# Altium PCB 5600BB3T Dev.Board.PcbDoc (part 2 of 2)
Units mm, origin at the board's own origin, x right, y up, seen from the top; angles counter-clockwise.
Board outline 100 x 100 mm, 2 copper layers (Top Layer, Bottom Layer); 117 components, 92 nets, 493 pads, 391 vias.
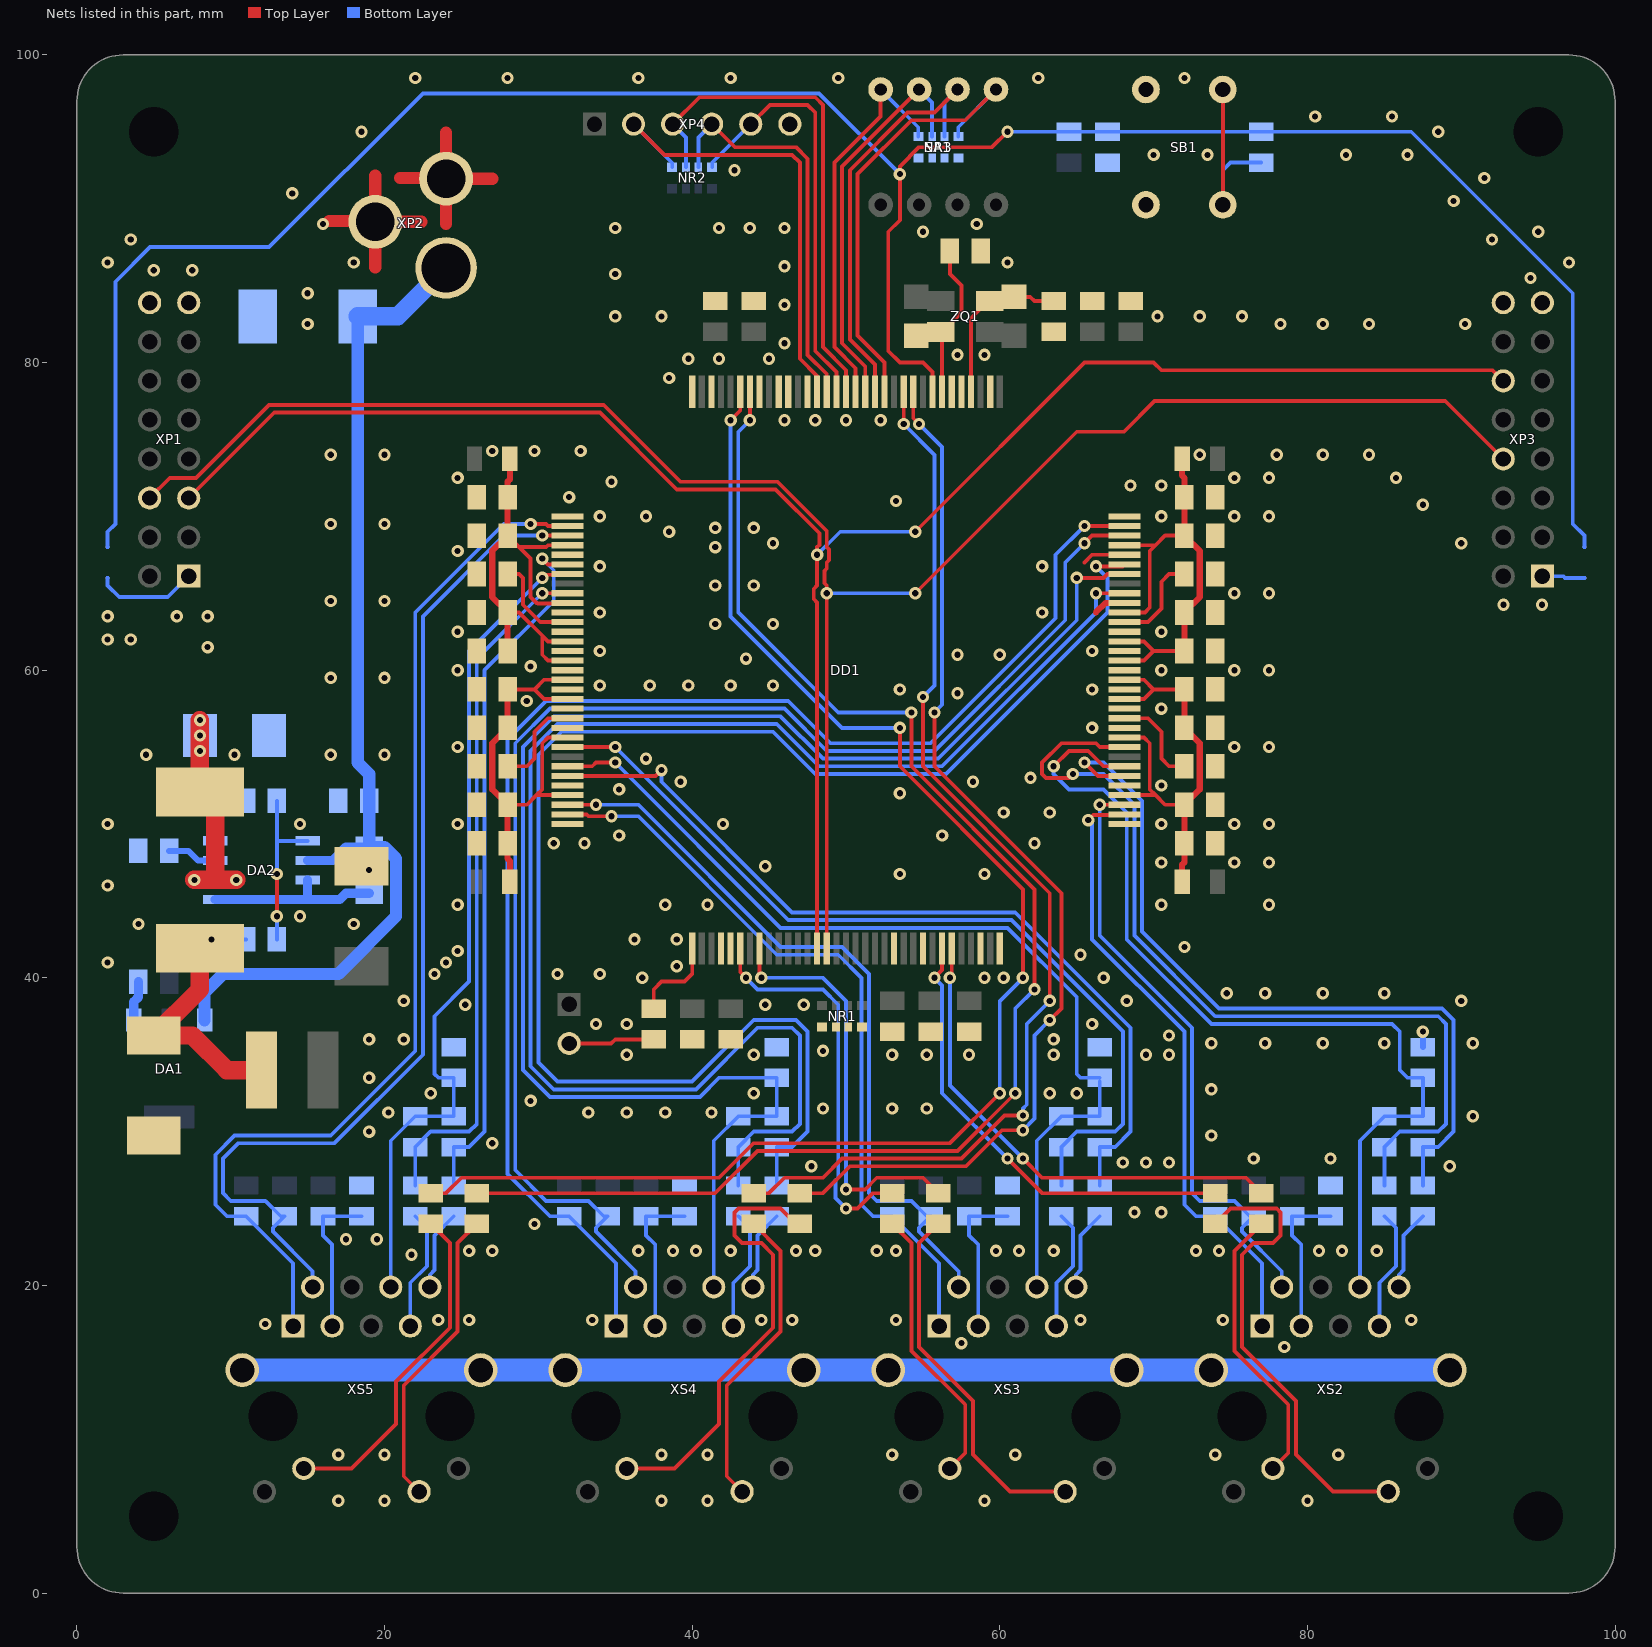
[diagram p2: the nets of this part, all layers, seen from the top]

## Via types
v1: diameter 0.8, hole 0.4, Top Layer to Bottom Layer, tented both sides, 391 vias

## Nets (pads, with @x,y where several pads share a name; then routed paths per layer and width w, separated by ;. In a path a pad name is that pad's centre, name@x,y a point inside that pad or via, vN(x,y) a via of type N, cw(c..) or ccw(c..) an arc to the next point about the centre after c; other vN are vias at no path point) (continued)
DATA_TX3: DD1.14 XP1.5 XP3.12 | length 124.2
  Top Layer w0.25: XP1.5@7.27,71.19 12.83,76.75 34,76.75 39,71.75 45.421,71.75 48.271,68.9 48.271,68.146 48.125,68 v1(48.125,67.5) 48.125,65.5 47.9,65.275 47.9,64.625 48.125,64.4 DD1.14@48.125,41.9 ; v1(54.5,69) 65.5,80 70,80 70.5,79.5 92.04,79.5 XP3.12@92.73,78.81
  Bottom Layer w0.25: v1@48,67.5 v1@48.062,67.562 ; v1(48.125,67.5) 49.625,69 v1(54.5,69)
DATA_TXEN: DD1.15 XP1.6 XP3.8 | length 128
  Top Layer w0.25: XP1.6@4.73,71.19 6.04,72.5 7.75,72.5 12.5,77.25 34.25,77.25 39.25,72.25 45.557,72.25 48.75,69.057 48.75,68 48.9,67.85 48.9,67.15 48.75,67 48.75,66.6 48.6,66.45 48.6,65.65 48.75,65.5 v1(48.75,65) DD1.15@48.75,41.9 ; v1(54.5,65) 65,75.5 68.066,75.5 70.066,77.5 88.96,77.5 XP3.8@92.73,73.73
  Bottom Layer w0.25: v1(48.75,65) v1(54.5,65)
EXRES1: DD1.45 R5.2 | length 6.2
  Top Layer w0.25: DD1.45@68.1,56.875 69.625,56.875 70.5,56 70.5,54.25 71,53.75 R5.2@72,53.75
EXRES2: DD1.121 R6.2 | length 6.2
  Top Layer w0.25: R6.2@28,53.75 29.25,53.75 29.75,54.25 29.75,56 30.625,56.875 DD1.121@31.9,56.875
EXRES3: DD1.55 R7.2 | length 6.2
  Top Layer w0.25: DD1.55@68.1,63.125 69.625,63.125 70.5,64 70.5,65.75 71,66.25 R7.2@72,66.25
EXRES4: DD1.111 R8.2 | length 6.2
  Top Layer w0.25: R8.2@28,66.25 28.75,66.25 29,66 29,64.25 30.125,63.125 DD1.111@31.9,63.125
LINK_G1: DD1.28 R12.1 | length 32.1
  Top Layer w0.25: v1(56.75,40) 56.875,40.125 DD1.28@56.875,41.9 ; v1(61.5,28.25) 62.75,27 76,27 R12.1@77,26
  Bottom Layer w0.25: v1(56.75,40) 56.75,33 v1(61.5,28.25)
LINK_G2: DD1.6 R14.1 | length 25.8
  Top Layer w0.25: DD1.6@43.125,41.9 43.125,40.375 v1(43.5,40) ; v1(50,25) 50.75,25 51.75,26 R14.1@53,26
  Bottom Layer w0.25: v1(43.5,40) 44.25,39.25 48.5,39.25 49.5,38.25 49.5,27 49.325,26.825 49.325,25.675 v1(50,25)
LINK_G3: DD1.76 R16.1 | length 69.6
  Top Layer w0.25: R16.1@47,26 48.5,26 50.25,27.75 57.799,27.75 60.144,30.095 v1(61.5,30.095) ; DD1.76@54.375,78.1 54.375,76.375 v1(54.75,76) ; v1(55.75,57.25) 55.75,53.75 64,45.5 64,38 v1(63.25,37.25)
  Bottom Layer w0.25: v1(54.75,76) 56.25,74.5 56.25,57.75 v1(55.75,57.25) ; v1(61.5,30.095) 62.25,30.845 62.25,36.25 v1(63.25,37.25)
LINK_G4: DD1.94 R18.1 | length 96.2
  Top Layer w0.25: R18.1@23,26 24,26 25,27 41.75,27 44,29.25 56.75,29.25 v1(60,32.5) ; v1(42.5,76.25) 43.125,76.875 DD1.94@43.125,78.1 ; v1(53.5,56.25) 53.5,53.75 61.5,45.75 v1(61.5,40)
  Bottom Layer w0.25: v1(42.5,76.25) 42.5,63.5 49.75,56.25 v1(53.5,56.25) ; v1(60,32.5) 60,38.5 v1(61.5,40)
LINK_R1: DD1.27 R13.1 | length 30.3
  Top Layer w0.25: v1(55.75,40) 56.25,40.5 DD1.27@56.25,41.9 ; v1(60.5,28.25) 62.75,26 R13.1@74,26
  Bottom Layer w0.25: v1(55.75,40) 56.25,39.5 56.25,32.5 v1(60.5,28.25)
LINK_R2: DD1.8 R15.1 | length 27
  Top Layer w0.25: DD1.8@44.375,41.9 44.375,40.125 v1(44.5,40) ; v1(50,26.25) 51.25,26.25 52,27 55,27 R15.1@56,26
  Bottom Layer w0.25: v1(44.5,40) 48.5,40 50,38.5 v1(50,26.25)
LINK_R3: DD1.77 R17.1 | length 71.9
  Top Layer w0.25: R17.1@44,26 45,26 46,27 48.5,27 49.75,28.25 57.5,28.25 60.3,31.05 v1(61.5,31.05) ; v1(53.75,76) DD1.77@53.75,78.1 ; v1(55,58.25) 55,53.75 63.25,45.5 v1(63.25,38.5)
  Bottom Layer w0.25: v1(53.75,76) 55.75,74 55.75,59 v1(55,58.25) ; v1(61.5,31.05) 61.5,31.5 61.75,31.75 61.75,37 v1(63.25,38.5)
LINK_R4: DD1.93 R19.1 | length 94.9
  Top Layer w0.25: R19.1@26,26 41.5,26 44.25,28.75 57.25,28.75 v1(61,32.5) ; v1(43.75,76.25) DD1.93@43.75,78.1 ; v1(54.25,57.25) 54.25,53.75 62.25,45.75 v1(62.25,39.25)
  Bottom Layer w0.25: v1(43.75,76.25) 43,75.5 43,63.75 49.5,57.25 v1(54.25,57.25) ; v1(61,32.5) 61,38 v1(62.25,39.25)
MCLK_1: DD1.1 R9.1 | length 5.8
  Top Layer w0.25: R9.1@37.5,38 37.5,39.25 38,39.75 39.5,39.75 40,40.25 DD1.1@40,41.9
MODE0: DD1.82 NR3.5 SA1.8 | length 25.5
  Top Layer w0.25: DD1.82@50.625,78.1 50.625,79.625 49.25,81 49.25,93 52.25,96 SA1.8@52.25,97.75
  Bottom Layer w0.25: SA1.8@52.25,97.75 54.7,95.3 NR3.5@54.7,94.7
MODE1: DD1.81 NR3.6 SA1.7 | length 25.7
  Top Layer w0.25: DD1.81@51.25,78.1 51.25,79.75 49.75,81.25 49.75,92.75 SA1.7@54.75,97.75
  Bottom Layer w0.25: SA1.7@54.75,97.75 55.6,96.9 NR3.6@55.6,94.7
MODE2: DD1.80 NR3.7 SA1.6 | length 27.6
  Top Layer w0.25: DD1.80@51.875,78.1 51.875,79.875 50.25,81.5 50.25,92.5 54,96.25 55.75,96.25 SA1.6@57.25,97.75
  Bottom Layer w0.25: NR3.7@56.4,94.7 56.4,96.9 SA1.6@57.25,97.75
MODE3: DD1.79 NR3.8 SA1.5 | length 30.2
  Top Layer w0.25: DD1.79@52.5,78.1 52.5,80 50.75,81.75 50.75,92.25 54.25,95.75 57.75,95.75 SA1.5@59.75,97.75
  Bottom Layer w0.25: NR3.8@57.3,94.7 57.3,95.3 SA1.5@59.75,97.75
NetC4_2: C4.2 DA2.3 | length 3.3
  Bottom Layer w0.4: C4.2@6,48.25 7.25,48.25 7.865,47.635 DA2.3@9,47.635
NetC6_1: C6.1 L1.2 L2.1 R3.2 | length 17.1
  Top Layer w1.2: L1.2@8,41.92 8,39.25 C6.1@5,36.25 7.5,36.25 9.75,34 L2.1@12,34
  Bottom Layer w0.25: v1(8.75,42.5) R3.2@11,42.5
NetC31_2: C31.2 DD1.73 pad.1 ZQ1.1 | length 12.5
  Top Layer w0.25: ZQ1.1@54.575,81.73 56.23,81.73 pad.1@56.25,81.75 ; pad.1@56.15,82 56.25,82 pad.1@56.75,82.5 ; DD1.73@56.25,78.1 pad.1@56.25,81.75 ; C31.2@56.75,87.25 56.75,85.75 57.5,85 57.5,83.25 pad.1@56.75,82.5 ; pad.1@56.25,81.75 56.75,82.25 pad.1@56.75,82.5
NetC32_2: C32.2 DD1.70 pad.3 ZQ1.3 | length 10.8
  Top Layer w0.25: DD1.70@58.125,78.1 58.125,82.875 59.52,84.27 ZQ1.3@60.925,84.27 61.98,84.27 62.25,84 C32.2@63.5,84
NetC38_2: C38.2 R36.1 XS2.3 | length 9.9
  Bottom Layer w0.25: XS2.3@79.595,17.36 79.595,22.655 79,23.25 R36.1@79,24.5 C38.2@81.5,24.5
NetC39_2: C39.2 R37.1 XS3.3 | length 9.9
  Bottom Layer w0.25: XS3.3@58.595,17.36 58.595,22.655 58,23.25 R37.1@58,24.5 C39.2@60.5,24.5
NetC40_2: C40.2 R38.1 XS4.3 | length 9.9
  Bottom Layer w0.25: XS4.3@37.595,17.36 37.595,22.655 37,23.25 R38.1@37,24.5 C40.2@39.5,24.5
NetC41_2: C41.2 R39.1 XS5.3 | length 9.9
  Bottom Layer w0.25: XS5.3@16.595,17.36 16.595,22.655 16,23.25 R39.1@16,24.5 C41.2@18.5,24.5
NetC42_2: C42.2 XS2.7 | length 7.9
  Bottom Layer w0.25: XS2.7@84.675,17.36 84.675,20.175 85.75,21.25 85.75,23.75 C42.2@85,24.5
NetC43_2: C43.2 XS2.8 | length 5.2
  Bottom Layer w0.25: XS2.8@85.945,19.9 85.945,20.695 86.25,21 86.25,23.25 C43.2@87.5,24.5
NetC44_2: C44.2 XS3.7 | length 7.9
  Bottom Layer w0.25: XS3.7@63.675,17.36 63.675,20.175 64.75,21.25 64.75,23.75 C44.2@64,24.5
NetC45_2: C45.2 XS3.8 | length 5.2
  Bottom Layer w0.25: XS3.8@64.945,19.9 64.945,20.695 65.25,21 65.25,23.25 C45.2@66.5,24.5
NetC46_2: C46.2 XS4.7 | length 7.9
  Bottom Layer w0.25: XS4.7@42.675,17.36 42.675,20.175 43.75,21.25 43.75,23.75 C46.2@43,24.5
NetC47_2: C47.2 XS4.8 | length 5.2
  Bottom Layer w0.25: XS4.8@43.945,19.9 43.945,20.695 44.25,21 44.25,23.25 C47.2@45.5,24.5
NetC48_2: C48.2 XS5.7 | length 7.9
  Bottom Layer w0.25: XS5.7@21.675,17.36 21.675,20.175 22.75,21.25 22.75,23.75 C48.2@22,24.5
NetC49_2: C49.2 XS5.8 | length 5.2
  Bottom Layer w0.25: XS5.8@22.945,19.9 22.945,20.695 23.25,21 23.25,23.25 C49.2@24.5,24.5
NetDA2_1: DA2.1 DA2.7 DA2.8 R2.2 | length 11.4
  Bottom Layer w0.6: DA2.1@9,45.095 DA2.8@15,45.095 ; DA2.7@15,46.365 DA2.8@15,45.095 ; R2.2@19,45.5 17.5,45.5 17.095,45.095 DA2.8@15,45.095
NetDA2_2: DA2.2 L1.1 VD1.2 | length 16.3
  Top Layer w1.2: v1(7.635,46.365) 9,46.365 ; v1(8,56.75) L1.1@8,52.08 9,51.08 9,46.365 ; v1(10.365,46.365) 9,46.365
  Bottom Layer w0.6: v1(7.635,46.365) DA2.2@9,46.365 v1(10.365,46.365)
  other v1: 8,54.75 8,55.75
NetDA2_5: DA2.5 R1.1 R3.1 | length 11
  Top Layer w0.25: v1(13,44) v1(13,46.75)
  Bottom Layer w0.25: R3.1@13,42.5 v1(13,44) ; v1(13,46.75) 13,49 ; R1.1@13,51.5 13,49 ; DA2.5@15,48.905 13.095,48.905 13,49
NetJP1_1: JP1.1 XP1.1 | length 6.6
  Bottom Layer w0.25: JP1.1@2,66 2,65.5 2.75,64.75 5.91,64.75 XP1.1@7.27,66.11
NetJP2_1: JP2.1 XP3.1 | length 2.8
  Bottom Layer w0.25: XP3.1@95.27,66.11 96.64,66.11 96.75,66 JP2.1@98,66
NetR9_2: R9.2 XP5.2 | length 5.6
  Top Layer w0.25: XP5.2@32,35.73 34.73,35.73 35,36 R9.2@37.5,36
NetR10_1: R10.1 SB1.2 | length 12.5
  Top Layer w0.25: SB1.2@74.5,90.25 SB1.2@74.5,97.75
  Bottom Layer w0.25: SB1.2@74.5,90.25 74.5,92.5 75,93 R10.1@77,93
NetR12_2: R12.2 XS2.10 | length 18.5
  Top Layer w0.25: R12.2@77,24 75.25,22.25 75.25,15.75 78.75,12.25 78.75,9.1 XS2.10@77.75,8.1
NetR13_2: R13.2 XS2.11 | length 30.7
  Top Layer w0.25: R13.2@74,24 75,25 78,25 78.25,24.75 78.25,23.25 77.75,22.75 76.5,22.75 75.75,22 75.75,16 79.25,12.5 79.25,9 81.65,6.6 XS2.11@85.25,6.6
NetR14_2: R14.2 XS3.10 | length 18.3
  Top Layer w0.25: R14.2@53,24 54.25,22.75 54.25,15.75 57.75,12.25 57.75,9.1 XS3.10@56.75,8.1
NetR15_2: R15.2 XS3.11 | length 24
  Top Layer w0.25: R15.2@56,24 54.75,22.75 54.75,16 58.25,12.5 58.25,9 60.65,6.6 XS3.11@64.25,6.6
NetR16_2: R16.2 XS4.10 | length 28.9
  Top Layer w0.25: XS4.10@35.75,8.1 38.85,8.1 41.75,11 41.75,13.75 45.25,17.25 45.25,22 44.5,22.75 43.25,22.75 42.75,23.25 42.75,24.75 43,25 45.75,25 46.75,24 R16.2@47,24
NetR17_2: R17.2 XS4.11 | length 20
  Top Layer w0.25: XS4.11@43.25,6.6 42.25,7.6 42.25,13.5 45.75,17 45.75,22.25 R17.2@44,24
NetR18_2: R18.2 XS5.10 | length 22.2
  Top Layer w0.25: XS5.10@14.75,8.1 17.85,8.1 20.75,11 20.75,13.75 24.25,17.25 24.25,22.75 R18.2@23,24
NetR19_2: R19.2 XS5.11 | length 19.8
  Top Layer w0.25: XS5.11@22.25,6.6 21.25,7.6 21.25,13.5 24.75,17 24.75,22.75 R19.2@26,24
PHY1: C12.2 C17.2 C22.2 C27.2 DD1.37 DD1.43 DD1.47 DD1.49 L3.2 | length 29.2
  Top Layer w0.25: DD1.37@68.1,51.875 70.125,51.875 ; DD1.43@68.1,55.625 69.375,55.625 69.75,55.25 69.75,52.25 70.125,51.875 ; DD1.47@68.1,58.125 69.375,58.125 70,58.75 ; DD1.49@68.1,59.375 69.375,59.375 70,58.75 ; C17.2@72,51.25 70.75,51.25 70.125,51.875 ; C27.2@72,58.75 70,58.75
  Top Layer w0.4: L3.2@71.85,46.25 71.85,47.35 72,47.5 C12.2@72,48.75 C17.2@72,51.25 73,52.25 73,55.25 C22.2@72,56.25 C27.2@72,58.75
PHY2: C13.2 C18.2 C23.2 C28.2 DD1.117 DD1.119 DD1.123 DD1.129 L4.2 | length 29.5
  Top Layer w0.25: C18.2@28,51.25 29.25,51.25 29.875,51.875 ; C28.2@28,58.75 29.75,58.75 ; DD1.129@31.9,51.875 29.875,51.875 ; DD1.123@31.9,55.625 30.625,55.625 30.25,55.25 30.25,52.25 29.875,51.875 ; DD1.119@31.9,58.125 30.375,58.125 29.75,58.75 ; DD1.117@31.9,59.375 30.375,59.375 29.75,58.75
  Top Layer w0.4: C28.2@28,58.75 C23.2@28,56.25 27,55.25 27,52.25 C18.2@28,51.25 C13.2@28,48.75 28,47.75 28.15,47.6 L4.2@28.15,46.25
PHY3: C14.2 C19.2 C24.2 C29.2 DD1.51 DD1.53 DD1.56 DD1.63 L5.2 | length 29.9
  Top Layer w0.25: DD1.51@68.1,60.625 69.375,60.625 70,61.25 ; DD1.53@68.1,61.875 69.375,61.875 70,61.25 ; DD1.56@68.1,63.75 69.434,63.75 69.75,64.066 69.75,67.75 70.125,68.125 ; DD1.63@68.1,68.125 70.125,68.125 ; C14.2@72,61.25 70,61.25 ; C24.2@72,68.75 70.75,68.75 70.125,68.125
  Top Layer w0.4: L5.2@71.85,73.75 71.85,72.65 72,72.5 C29.2@72,71.25 C24.2@72,68.75 73,67.75 73,64.75 C19.2@72,63.75 C14.2@72,61.25
PHY4: C15.2 C20.2 C25.2 C30.2 DD1.103 DD1.109 DD1.113 DD1.115 L6.2 | length 31.6
  Top Layer w0.25: C20.2@28,63.75 28.75,63.75 30.25,62.25 ; C25.2@28,68.75 28.75,68 ; DD1.115@31.9,60.625 30.625,60.625 30.25,61 30.25,62.25 ; DD1.113@31.9,61.875 30.625,61.875 30.25,62.25 ; DD1.109@31.9,64.375 31.9,64.325 29.97,64.325 29.92,64.375 29.875,64.375 29.5,64.75 29.5,67.25 28.75,68 ; DD1.103@31.9,68.125 30.625,68.125 30.5,68 28.75,68
  Top Layer w0.4: C15.2@28,61.25 C20.2@28,63.75 27,64.75 27,67.75 C25.2@28,68.75 C30.2@28,71.25 28,72.25 28.15,72.4 L6.2@28.15,73.75
RESET: C33.2 DD1.74 JP1.2 JP2.2 R10.2 R11.1 | length 158.6
  Top Layer w0.25: DD1.74@55.625,78.1 55.625,79.375 55,80 53.5,80 52.75,80.75 52.75,88.5 53.5,89.25 53.5,92.75 54.75,94 59.5,94 v1(60.5,95)
  Bottom Layer w0.25: JP1.2@2,68 2,69 2.5,69.5 2.5,85.25 4.75,87.5 12.5,87.5 22.5,97.5 48.25,97.5 v1(53.5,92.25) ; v1(60.5,95) R11.1@64.5,95 C33.2@67,95 R10.2@77,95 86.75,95 97.25,84.5 97.25,69.5 98,68.75 JP2.2@98,68
RXD1_M: C34.1 DD1.40 R20.2 R24.2 XS2.6 | length 61.2
  Top Layer w0.25: v1(63.5,53.75) 64.5,54.75 65.75,54.75 66.75,53.75 DD1.40@68.1,53.75
  Bottom Layer w0.25: v1(63.5,53.75) 63.5,53.25 64.5,52.25 66.75,52.25 68.25,50.75 68.25,42.5 73.75,37 85.5,37 86,36.5 86,34 86.5,33.5 C34.1@87.5,33.5 R24.2@87.5,31 R20.2@85,31 83.405,29.405 XS2.6@83.405,19.9
RXD1_N: C43.1 DD1.39 R24.1 | length 51
  Top Layer w0.25: v1(65.5,54) 66.375,53.125 DD1.39@68.1,53.125
  Bottom Layer w0.25: v1(65.5,54) 66.75,54 69.25,51.5 69.25,43 74.25,38 88.75,38 89.5,37.25 89.5,30 88.5,29 R24.1@87.5,29 C43.1@87.5,26.5
RXD1_P: C42.1 DD1.42 R20.1 | length 58.5
  Top Layer w0.25: v1(64.75,53.25) 64.5,53 63,53 62.75,53.25 62.75,54 64,55.25 66.25,55.25 66.5,55 DD1.42@68.1,55
  Bottom Layer w0.25: v1(64.75,53.25) 66.75,53.25 68.75,51.25 68.75,42.75 74,37.5 88.5,37.5 89,37 89,30.5 88.5,30 86,30 R20.1@85,29 C42.1@85,26.5
RXD2_M: C35.1 DD1.126 R21.2 R25.2 XS3.6 | length 62.6
  Top Layer w0.25: DD1.126@31.9,53.75 33.5,53.75 33.75,54 v1(35,54)
  Bottom Layer w0.25: v1(35,54) 45.75,43.25 60.5,43.25 65,38.75 65,33.75 65.25,33.5 C35.1@66.5,33.5 ; XS3.6@62.405,19.9 62.405,29.405 R21.2@64,31 R25.2@66.5,31 C35.1@66.5,33.25
RXD2_N: C45.1 DD1.127 R25.1 | length 55.8
  Top Layer w0.25: DD1.127@31.9,53.125 37.625,53.125 v1(38,53.5)
  Bottom Layer w0.25: v1(38,53.5) 38,52.75 46.5,44.25 61,44.25 68.5,36.75 68.5,30 67.5,29 R25.1@66.5,29 C45.1@66.5,26.5
RXD2_P: C44.1 DD1.124 R21.1 | length 56.9
  Top Layer w0.25: DD1.124@31.9,55 v1(35,55)
  Bottom Layer w0.25: v1(35,55) 46.25,43.75 60.75,43.75 68,36.5 68,30.5 67.5,30 65,30 R21.1@64,29 C44.1@64,26.5
RXD3_M: C36.1 DD1.60 R22.2 R26.2 XS4.6 | length 103.2
  Top Layer w0.25: v1(65,66) 66.75,66 67,66.25 DD1.60@68.1,66.25
  Bottom Layer w0.25: XS4.6@41.405,19.9 41.405,29.405 R22.2@43,31 R26.2@45.5,31 C36.1@45.5,33.5 41.75,33.5 40.5,32.25 30.75,32.25 29,34 29,55 31,57 45.75,57 48.5,54.25 56,54.25 65,63.25 v1(65,66)
RXD3_N: C47.1 DD1.61 R26.1 | length 99.7
  Top Layer w0.25: v1(66.25,66.75) 67.975,66.75 DD1.61@68.1,66.875
  Bottom Layer w0.25: C47.1@45.5,26.5 R26.1@45.5,29 46.5,29 47.5,30 47.5,36.5 46.75,37.25 44,37.25 40,33.25 31.25,33.25 30,34.5 30,54.5 31.5,56 45.25,56 48,53.25 56.5,53.25 67,63.75 67,66 v1(66.25,66.75)
RXD3_P: C46.1 DD1.58 R22.1 | length 99.2
  Top Layer w0.25: v1(66.25,65) DD1.58@68.1,65
  Bottom Layer w0.25: C46.1@43,26.5 R22.1@43,29 44,30 46.5,30 47,30.5 47,36.25 46.5,36.75 44.25,36.75 40.25,32.75 31,32.75 29.5,34.25 29.5,54.75 31.25,56.5 45.5,56.5 48.25,53.75 56.25,53.75 66.25,63.75 v1(66.25,65)
RXD4_M: C37.1 DD1.106 R23.2 R27.2 XS5.6 | length 55
  Top Layer w0.25: v1(30.25,66) 30.45,66.2 31.9,66.2 DD1.106@31.9,66.25
  Bottom Layer w0.25: XS5.6@20.405,19.9 20.405,29.405 R23.2@22,31 R27.2@24.5,31 C37.1@24.5,33.5 23.5,33.5 23.25,33.75 23.25,37.5 25.5,39.75 25.5,61.25 v1(30.25,66)
RXD4_N: C49.1 DD1.105 R27.1 | length 46.1
  Top Layer w0.25: v1(30.25,67.25) 30.625,66.875 DD1.105@31.9,66.875
  Bottom Layer w0.25: C49.1@24.5,26.5 R27.1@24.5,29 25.5,29 26.5,30 26.5,60 31,64.5 31,66.5 v1(30.25,67.25)
RXD4_P: C48.1 DD1.108 R23.1 | length 45
  Top Layer w0.25: v1(30.25,65) DD1.108@31.9,65
  Bottom Layer w0.25: C48.1@22,26.5 R23.1@22,29 23,30 25.5,30 26,30.5 26,60.75 v1(30.25,65)
SPI_CLK: DD1.86 NR2.1 XP4.2 | length 31.1
  Top Layer w0.25: XP4.2@36.19,95.5 38.19,93.5 46.5,93.5 47,93 47,80.25 48.125,79.125 DD1.86@48.125,78.1
  Bottom Layer w0.25: XP4.2@36.19,95.5 38.7,92.99 NR2.1@38.7,92.7
SPI_CS: DD1.83 NR2.2 XP4.3 | length 33.1
  Top Layer w0.25: XP4.3@38.73,95.5 40.48,97.25 48,97.25 48.5,96.75 48.5,81 50,79.5 DD1.83@50,78.1
  Bottom Layer w0.25: XP4.3@38.73,95.5 39.6,94.63 NR2.2@39.6,92.7
SPI_SDI: DD1.85 NR2.3 XP4.4 | length 26
  Top Layer w0.25: XP4.4@41.27,95.5 42.77,94 46.75,94 47.5,93.25 47.5,80.5 48.75,79.25 DD1.85@48.75,78.1
  Bottom Layer w0.25: NR2.3@40.4,92.7 40.4,94.63 XP4.4@41.27,95.5
SPI_SDO: DD1.84 NR2.4 XP4.5 | length 27.5
  Top Layer w0.25: XP4.5@43.81,95.5 45.06,96.75 47.5,96.75 48,96.25 48,80.75 49.375,79.375 DD1.84@49.375,78.1
  Bottom Layer w0.25: NR2.4@41.3,92.7 41.3,92.99 XP4.5@43.81,95.5
TX1_N: DD1.36 R32.1 XS2.2 | length 39.9
  Top Layer w0.25: v1(66.5,51.25) DD1.36@68.1,51.25
  Bottom Layer w0.25: v1(66.5,51.25) 66.5,42.75 72.5,36.75 72.5,26 73,25.5 75.25,25.5 76.25,24.5 R32.1@76.5,24.5 75.75,23.75 75.75,23.5 78.325,20.925 XS2.2@78.325,19.9
TX1_P: DD1.35 R28.1 XS2.1 | length 40.8
  Top Layer w0.25: v1(65.75,50.25) 66.075,50.575 68.1,50.575 DD1.35@68.1,50.625
  Bottom Layer w0.25: v1(65.75,50.25) 66,50 66,42.5 72,36.5 72,25.25 72.75,24.5 R28.1@74,24.5 77.055,21.445 XS2.1@77.055,17.36
TX2_N: DD1.130 R33.1 XS3.2 | length 49
  Top Layer w0.25: DD1.130@31.9,51.25 v1(33.75,51.25)
  Bottom Layer w0.25: v1(33.75,51.25) 36.5,51.25 45.75,42 49.75,42 51.5,40.25 51.5,26 52,25.5 54.25,25.5 55.25,24.5 R33.1@55.5,24.5 54.75,23.75 54.75,23.5 57.325,20.925 XS3.2@57.325,19.9
TX2_P: DD1.131 R29.1 XS3.1 | length 49
  Top Layer w0.25: DD1.131@31.9,50.625 33.125,50.625 33.25,50.5 v1(34.75,50.5)
  Bottom Layer w0.25: v1(34.75,50.5) 36.5,50.5 45.5,41.5 49.5,41.5 51,40 51,25.25 51.75,24.5 R29.1@53,24.5 56.055,21.445 XS3.1@56.055,17.36
TX3_N: DD1.64 R34.1 XS4.2 | length 90.6
  Top Layer w0.25: v1(65.5,68.25) 66,68.75 DD1.64@68.1,68.75
  Bottom Layer w0.25: XS4.2@36.325,19.9 36.325,20.925 33.75,23.5 33.75,23.75 R34.1@34.5,24.5 34.25,24.5 33.25,25.5 30.5,25.5 28.5,27.5 28.5,55.25 30.75,57.5 46,57.5 48.75,54.75 55.75,54.75 64.25,63.25 64.25,67 v1(65.5,68.25)
TX3_P: DD1.65 R30.1 XS4.1 | length 92.3
  Top Layer w0.25: v1(65.5,69.375) DD1.65@68.1,69.375
  Bottom Layer w0.25: XS4.1@35.055,17.36 35.055,21.445 R30.1@32,24.5 30.75,24.5 28,27.25 28,55.5 30.5,58 46.25,58 49,55.25 55.5,55.25 63.625,63.375 63.625,67.5 v1(65.5,69.375)
TX4_N: DD1.102 R35.1 XS5.2 | length 68.7
  Top Layer w0.25: v1(30.25,68.75) DD1.102@31.9,68.75
  Bottom Layer w0.25: XS5.2@15.325,19.9 15.325,20.925 12.75,23.5 12.75,23.75 R35.1@13.5,24.5 13.25,24.5 12.25,25.5 10,25.5 9.5,26 9.5,28.25 10.5,29.25 16.75,29.25 22.5,35 22.5,63.5 27.75,68.75 v1(30.25,68.75)
TX4_P: DD1.101 R31.1 XS5.1 | length 70.6
  Top Layer w0.25: v1(29.5,69.5) 30.5,69.5 30.625,69.375 DD1.101@31.9,69.375
  Bottom Layer w0.25: XS5.1@14.055,17.36 14.055,21.445 R31.1@11,24.5 9.75,24.5 9,25.25 9,28.5 10.25,29.75 16.5,29.75 22,35.25 22,63.75 27.75,69.5 v1(29.5,69.5)
VCC: C1.1 C3.2 DA1.3 DA2.6 R2.1 XP2.1 | length 68.3
  Bottom Layer w0.6: DA2.6@15,47.635 16.635,47.635 17.5,48.5 R2.1@19,48.5
  Bottom Layer w0.8: DA1.3@8.3,37.25 8.3,39.05 9.5,40.25 17,40.25 20.75,44 20.75,47.75 20,48.5 R2.1@19,48.5 C3.2@19,51.5 19,53.25 18.25,54 C1.1@18.25,83
  Bottom Layer w1.2: C1.1@18.25,83 20.85,83 XP2.1@24,86.15
Корпус: XS2.13 XS3.13 XS4.13 XS5.13 | length 78.5
  Bottom Layer w1.5: XS5.13@10.75,14.5 XS5.13@26.25,14.5 XS4.13@31.75,14.5 XS4.13@47.25,14.5 XS3.13@52.75,14.5 XS3.13@68.25,14.5 XS2.13@73.75,14.5 XS2.13@89.25,14.5
Общ: C1.2 C2.1 C3.1 C4.1 C5.1 C6.2 C7.1 C8.2 C9.1 C10.1 C11.1 C12.1 C13.1 C14.1 C15.1 C16.1 C17.1 C18.1 C19.1 C20.1 C21.1 C22.1 C23.1 C24.1 C25.1 C26.1 C27.1 C28.1 C29.1 C30.1 C31.1 C32.1 C33.1 C34.2 C35.2 C36.2 C37.2 C38.1 C39.1 C40.1 C41.1 DA1.1 DA2.4 DD1.4 DD1.5 DD1.22 DD1.25 DD1.31 DD1.33 DD1.34 DD1.38 DD1.44 DD1.46 DD1.48 DD1.50 DD1.52 DD1.54 DD1.57 DD1.62 DD1.66 DD1.68 DD1.71 DD1.72 DD1.87 DD1.89 DD1.90 DD1.92 DD1.97 DD1.99 DD1.100 DD1.104 DD1.110 DD1.112 DD1.114 DD1.116 DD1.118 DD1.120 DD1.122 DD1.128 DD1.132 NR1.1 NR1.2 NR1.3 NR1.4 NR3.1 NR3.2 NR3.3 NR3.4 R1.2 R4.1 R5.1 R6.1 R7.1 R8.1 SB1.1 VD1.1 XP1.15 XP1.16 XP2.2 XP2.3 XP3.15 XP3.16 XP4.6 | length 32.4
  Top Layer w0.25: 65.5,67 66,67.5 DD1.62@68.1,67.5
  Top Layer w0.4: 66.25,63.75 66.875,64.375 DD1.57@68.1,64.375
  Top Layer w0.8: 16.4,89.2 XP2.3@19.4,89.2 ; 19.4,86.2 XP2.3@19.4,89.15 ; 19.4,92.15 XP2.3@19.4,89.2 ; 21,92 XP2.2@24,92 ; 22.4,89.15 XP2.3@19.4,89.15 ; 24,89 XP2.2@24,91.95 ; 24,94.95 XP2.2@24,92 ; 27,91.95 XP2.2@24,91.95 ; XP2.3@19.4,89.15 XP2.3@19.4,89.2 ; XP2.2@24,91.95 XP2.2@24,92
  Bottom Layer w0.4: C34.2@87.5,35.5 v1(87.5,36.5)
  Bottom Layer w0.6: DA1.1@3.7,37.25 3.7,38.45 4,38.75 C2.1@4,39.75
  other v1: 17,6 20,6 38,6 41,6 59,6 80,6 17,9 20,9 38,9 41,9 53,9 61,9 74,9 82,9 78.5,16 57.5,16.25 12.25,17.5 23.5,17.75 25.5,17.75 33.5,17.75 44.5,17.75 46.5,17.75 53.25,17.75 65.25,17.75 74.5,17.75 86.75,17.75 21.75,22 25.5,22.25 27,22.25 36.5,22.25 38.75,22.25 40.25,22.25 42.5,22.25 46.75,22.25 48,22.25 52,22.25 53.25,22.25 59.75,22.25 61.25,22.25 63.5,22.25 72.75,22.25 74.25,22.25 80.75,22.25 82.25,22.25 84.5,22.25 17.5,23 19.5,23 29.75,24 68.75,24.75 70.5,24.75 47.75,27.75 89.25,27.75 68,28 69.5,28 71,28 76.5,28.25 81.5,28.25 27,29.25 73.75,29.75 19,30 90.75,31 20.25,31.25 33.25,31.25 35.75,31.25 38.25,31.25 41.25,31.25 48.5,31.5 53,31.5 55.25,31.5 29.5,32 23,32.5 44,32.5 63.25,32.5 65,32.5 73.75,32.75 19,33.5 35.75,35 44,35 53,35 55.25,35 58,35 63.5,35 69.5,35 71,35 48.5,35.25 73.75,35.75 77.25,35.75 81,35.75 85,35.75 90.75,35.75 19,36 21.25,36 63.5,36 71,36.25 33.75,37 35.75,37 66,37 25.25,38.25 44.75,38.25 47.25,38.25 21.25,38.5 68.25,38.5 90,38.5 74.75,39 77.25,39 81,39 85,39 36.75,40 59,40 60.25,40 66.75,40 23.25,40.25 31.25,40.25 34,40.25 39,40.75 2,41 24,41 65.25,41.5 24.75,41.75 72,42 36.25,42.5 39,42.5 4,43.5 18,43.5 14.5,44 24.75,44.75 38.25,44.75 41,44.75 70.5,44.75 77.5,44.75 2,46 53.5,46.75 59,46.75 19,47 44.75,47.25 70.5,47.5 75.25,47.5 77.5,47.5 31,48.75 33,48.75 62.25,48.75 35.25,49.25 56.25,49.25 2,50 14.5,50 24.75,50 42,50 70.5,50 75.25,50 77.5,50 60.25,50.75 63.25,50.75 53.5,52 35.25,52.25 70.5,52.5 39.25,52.75 58.25,52.75 62,53 37,54.25 4.5,54.5 10.25,54.5 16.5,54.5 20,54.5 24.75,55 75.25,55 77.5,55 66,56.25 70.5,57.5 29.25,58 57.25,58.5 53.5,58.75 66,58.75 34,59 37.25,59 39.75,59 42.5,59 45.25,59 16.5,59.5 20,59.5 24.75,60 70.5,60 75.25,60 77.5,60 29.5,60.25 43.5,60.75 57.25,61 60,61 34,61.25 66,61.25 8.5,61.5 2,62 3.5,62 24.75,62.5 70.5,62.5 41.5,63 45.25,63 2,63.5 6.5,63.5 8.5,63.5 34,63.75 62.75,63.75 92.75,64.25 95.25,64.25 16.5,64.5 20,64.5 75.25,65 77.5,65 41.5,65.5 44,65.5 34,66.75 62.75,66.75 24.75,67.75 41.5,68 45.25,68.25 90,68.25 38.5,69 41.5,69.25 44,69.25 16.5,69.5 20,69.5 34,70 37,70 70.5,70 75.25,70 77.5,70 87.5,70.75 53.25,71 32,71.25 68.5,72 70.5,72 34.75,72.25 24.75,72.5 75.25,72.5 77.5,72.5 85.75,72.5 16.5,74 20,74 73,74 78,74 81,74 84,74 27,74.25 29.75,74.25 32.75,74.25 46,76.25 48,76.25 50,76.25 52.25,76.25 38.5,79 39.75,80.25 41.75,80.25 45,80.25 57.25,80.5 59,80.5 46,81.25 15,82.5 78.25,82.5 81,82.5 84,82.5 90.25,82.5 35,83 38,83 70.25,83 73,83 75.75,83 46,83.75 15,84.5 94.5,85.5 35,85.75 5,86 7.5,86 46,86.25 2,86.5 18,86.5 60.5,86.5 97,86.5 3.5,88 92,88 55,88.5 95,88.5 35,88.75 41.75,88.75 43.75,88.75 46,88.75 16,89 58.5,89 89.5,90.5 14,91 91.5,92 42.75,92.5 70,93.5 73.5,93.5 82.5,93.5 86.5,93.5 18.5,95 88.5,95 80.5,96 85.5,96 22,98.5 28,98.5 36.5,98.5 42.5,98.5 49.5,98.5 62.5,98.5 72,98.5
pads on no net: DD1.2 DD1.7 DD1.9 DD1.24 DD1.26 DD1.30 DD1.32 DD1.41 DD1.59 DD1.69 DD1.75 DD1.78 DD1.88 DD1.91 DD1.96 DD1.98 DD1.107 DD1.125 XS2.0 XS2.4 XS2.5 XS3.0 XS3.4 XS3.5 XS4.0 XS4.4 XS4.5 XS5.0 XS5.4 XS5.5 ZQ1.2 ZQ1.4

## Polygon pours and split planes (outlines as drawn)
Общ on Bottom Layer "GND_B" (solid, remove dead copper, pour order 4): 0,0 0,100 100,100 100,0
+3.3B on Bottom Layer "3.3V_B" (solid, remove dead copper, pour order 2): 0,39 18,39 18,25 0,25
Общ on Top Layer "GND_T" (solid, remove dead copper, pour order 6): 0,0 0,100 100,100 100,0

## Keep-outs
Top Layer:
  circle w0.1: c32.5,42.5 r1
  circle w0.1: c67.5,77.5 r1
  lines w0.1: 0,3 ccw(c3,3) 3,0 97,0 ccw(c97,3) 100,3 100,97 ccw(c97,97) 97,100 3,100 ccw(c3,97) 0,97 0,3
Bottom Layer:
  the board outline again, w0.1

## Silkscreen, mask and mechanical layers (free items; w line width, h text height)
Top Overlay:
  lines w0.25: 3.75,8.25 4.75,7.25 4.75,10.5 ; 3.75,91.75 4.75,92.75 4.75,89.5 ; 5.25,10.5 5.25,7.25 6.25,8.25 ; 5.25,89.5 5.25,92.75 6.25,91.75 ; 93.75,8.25 94.75,7.25 94.75,10.5 ; 93.75,91.75 94.75,92.75 94.75,89.5 ; 95.25,10.5 95.25,7.25 96.25,8.25 ; 95.25,89.5 95.25,92.75 96.25,91.75
  text "CS" at 39.5,91.5 h3 r90
  text "SDI" at 42,90.5 h3 r90
  text "SDO" at 44.5,90 h3 r90
  text "GND" at 47,90 h3 r90
  text "SCLK" at 37,89 h3 r90
  text "+3.3V" at 34.5,88.5 h3 r90
  text "5600ВВ3Т Dev.Board" at 73,41 h4
  text "A_D" at 92.5,19 h4
  text "1502" at 92.5,15 h4
Bottom Overlay:
  lines w0.25: 3.75,8.25 4.75,7.25 4.75,10.5 ; 3.75,91.75 4.75,92.75 4.75,89.5 ; 5.25,10.5 5.25,7.25 6.25,8.25 ; 5.25,89.5 5.25,92.75 6.25,91.75 ; 93.75,8.25 94.75,7.25 94.75,10.5 ; 93.75,91.75 94.75,92.75 94.75,89.5 ; 95.25,10.5 95.25,7.25 96.25,8.25 ; 95.25,89.5 95.25,92.75 96.25,91.75
1 - Board Outline:
  the board outline again, w0.1
11 - Dementions (Top):
  lines w0.1: 0,-15 0,-6 50,-6 50,-15 0,-15
  lines w0.254: -3.008,1.524 -2.5,0 ; -3.008,98.476 -2.5,100 ; -2.754,0 -2.246,0 ; -2.754,100 -2.246,100 ; -2.5,44.261 -2.5,0 ; -2.5,55.739 -2.5,100 ; -1.992,1.524 -2.5,0 ; -1.992,98.476 -2.5,100 ; 0,-2.754 0,-2.246 ; 1.524,-3.008 0,-2.5 ; 1.524,-1.992 0,-2.5 ; 44.261,-2.5 0,-2.5 ; 55.739,-2.5 100,-2.5 ; 98.476,-3.008 100,-2.5 ; 98.476,-1.992 100,-2.5 ; 100,-2.754 100,-2.246
  text "100 (mm)" at -1.586,44.515 h1.52 r90
  text "100 (mm)" at 44.515,-3.414 h1.52
  text "Printed on:" at 1,-8 h3
  text ".ComputerName" at 13,-8 h3
  text "File Name:" at 1,-11 h3
  text ".Pcb_File_Name_No_Path" at 13,-11 h3
  text "Date:" at 1,-14 h3
  text ".Print_Date" at 7,-14 h3
  text "Time:" at 24,-14 h3
  text ".Print_Time" at 30,-14 h3
15 - Hole+Body (Top):
  circle w0.1: c95,5 r1.6
  circle w0.1: c5,5 r1.6
  circle w0.1: c95,95 r1.6
  circle w0.1: c5,95 r1.6

## Text inside footprints (layer, text, board x,y; h text height)
DC_COnn: Top Overlay "+" at 16.25,98.625 h2.03 r180; Top Overlay "–" at 10.562,98.465 h2.03 r180
XS2: Top Overlay "YEL" at 85,1.5 h3; Top Overlay "GRN" at 74.5,1.5 h3
XS3: Top Overlay "GRN" at 53.5,1.5 h3; Top Overlay "YEL" at 64,1.5 h3
XS4: Top Overlay "GRN" at 32.5,1.5 h3; Top Overlay "YEL" at 43,1.5 h3
XS5: Top Overlay "GRN" at 11.5,1.5 h3; Top Overlay "YEL" at 22,1.5 h3